# KiCad board backplane-breaout-big.kicad_pcb (continued)
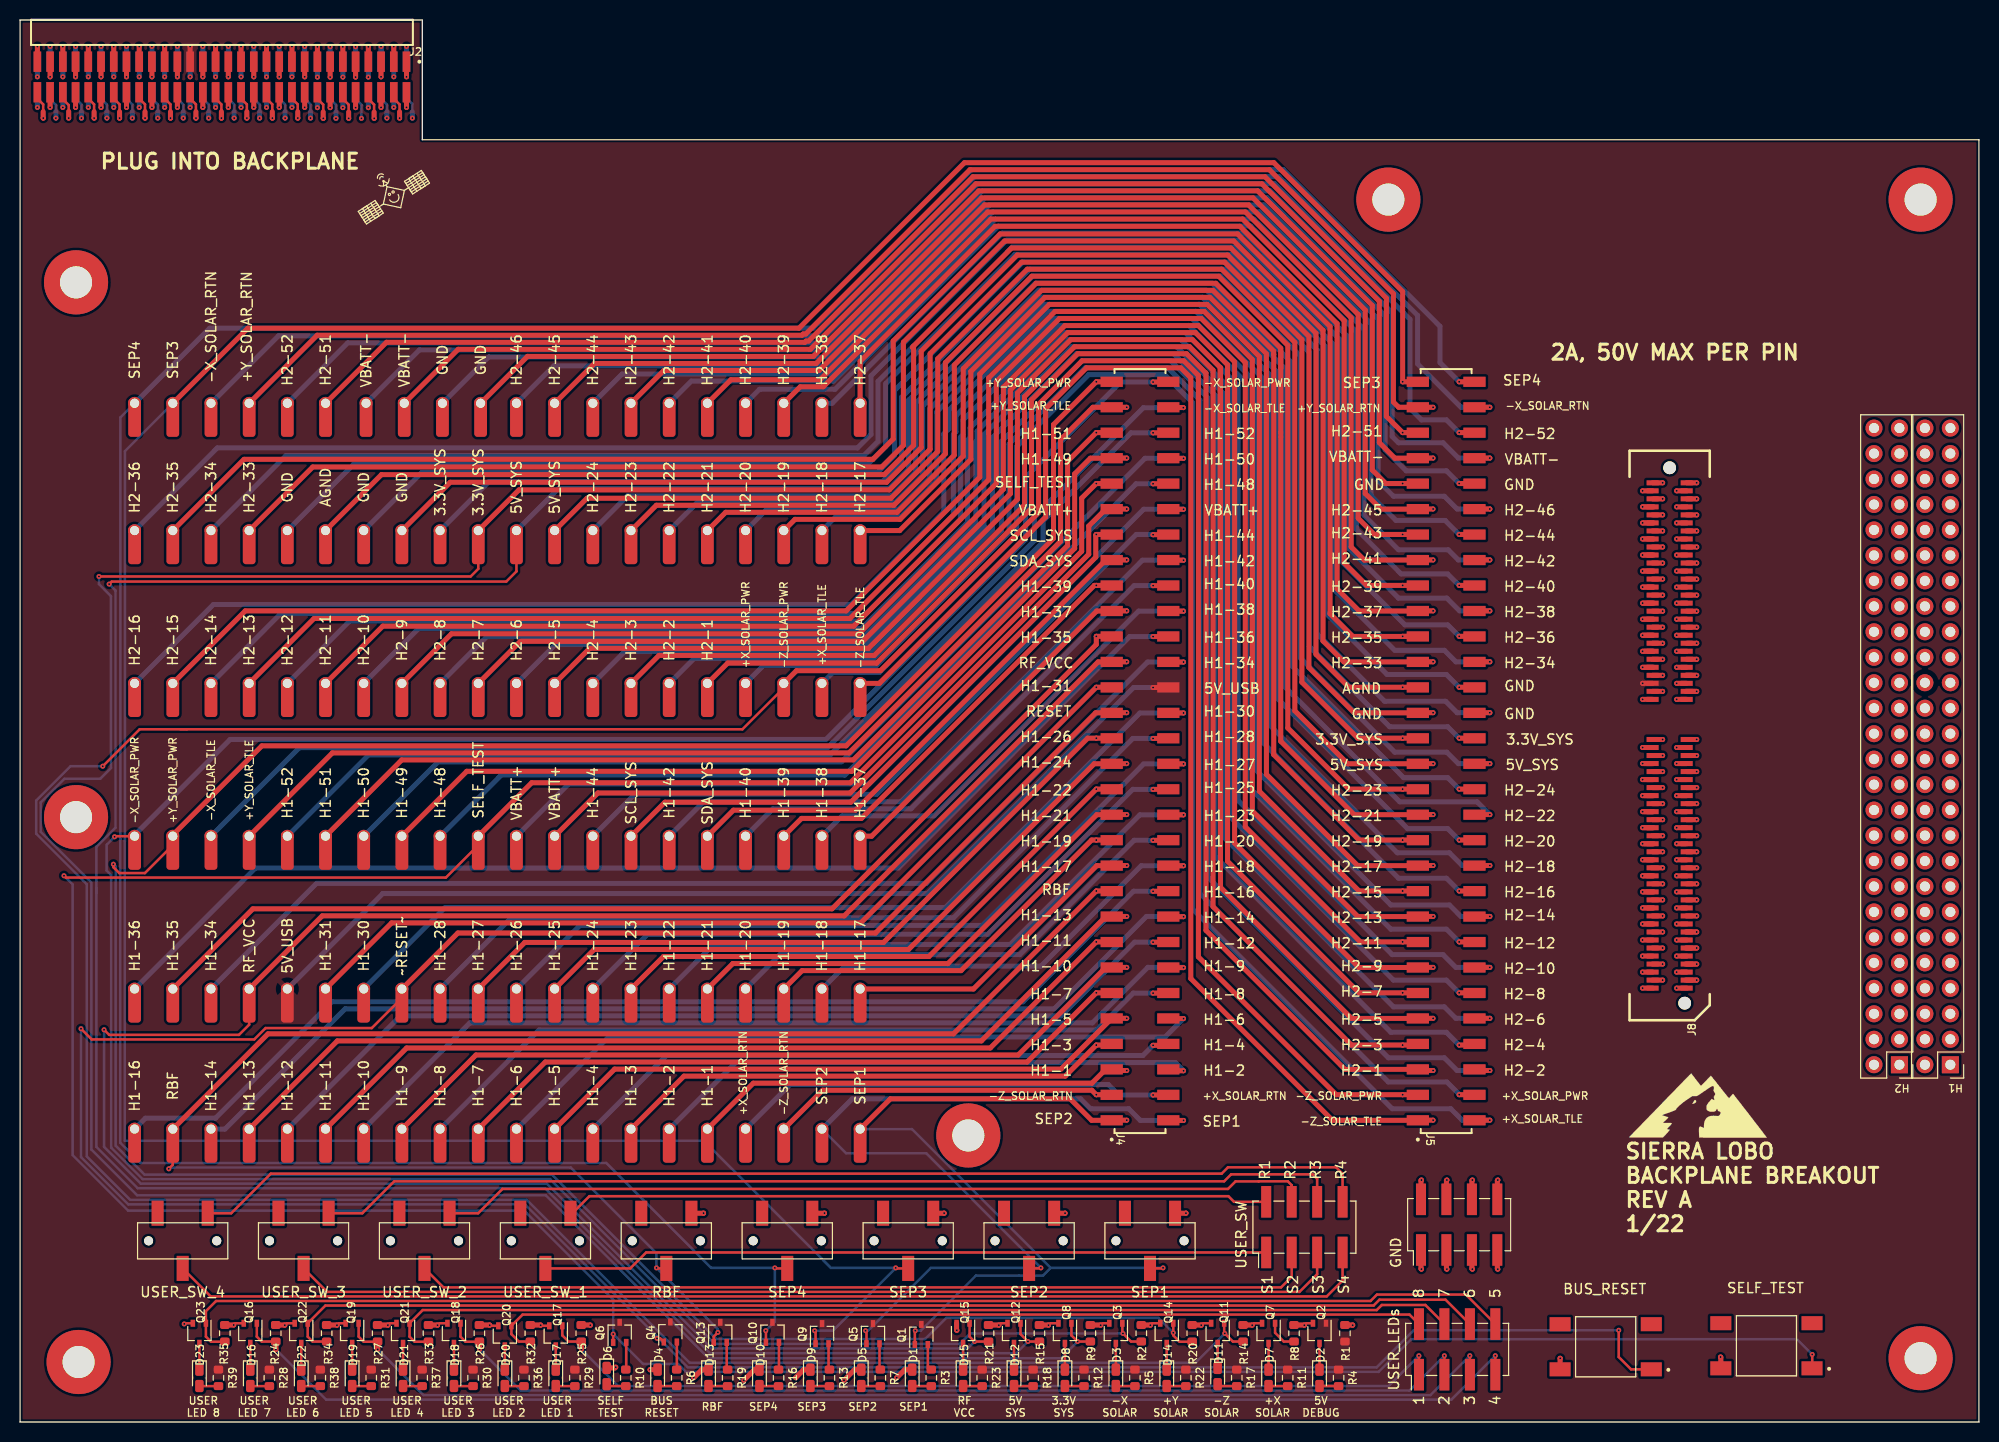
[diagram p0: board, top side]
## Routing (per net, layer and track width the routed paths; a pad name or vN(x,y) marks a point on that pad's centre or on a via; arc(x,y) is an arc through that point) (continued)
/H1-18: length 290.8
  Top w0.5: 162.99,59.27 162.03,59.27 ; 25.86,135.67 v1(25.86,134.16) ; 114.57,55.47 116.05,55.47 ; J8.42 v1(161.89,59.27)
  In3.Cu w0.25: 25.78,129.41 25.78,130.26 25.28,130.76 25.28,131.58
  In3.Cu w0.4: 184.58,57.2 188.81,57.2 H1.18
  In3.Cu w0.5: TP81.1 81.66,44.83 86.87,44.83 98.65,56.61 98.65,108.09 88.21,118.53 29.25,118.53 25.78,122.01 25.78,129.67 ; 184.58,57.2 172.62,57.2 170.55,59.27 166.85,59.27 166.15,58.57 165,58.57 164.3,59.27 v1(161.89,59.27) 158.82,56.2 116.82,56.2 v1(116.09,55.47) ; v1(25.86,134.16) 25.28,133.59 25.28,131.58
  Bottom w0.5: v1(116.09,55.47) 111.86,55.47 101.85,45.47 82.29,45.47 TP81.1
/H1-19: length 292.2
  Top w0.25: 24.59,132 25.17,131.42 25.17,130.68
  Top w0.5: v1(25.17,130.05) 25.17,130.05 25.17,130.68 ; J8.45 v1(165.29,60.87) ; 108.9,58.04 v1(107.38,58.04) 106.91,58.04 93.89,45.02 78.03,45.02 TP23.1
  In1.Cu w0.4: 184.58,59.74 191.35,59.74 H1.19
  In1.Cu w0.5: v1(107.38,58.04) 108.09,58.74 145.82,58.74 147.05,59.97 162.8,59.97 163.7,60.87 v1(165.29,60.87) 176.35,60.87 177.48,59.74 184.58,59.74 ; v1(25.17,130.05) 25.17,119.86 28.63,116.4 88.68,116.4 98.24,106.84 98.24,62.95 78.47,43.19 TP23.1
/H1-20: length 308.8
  Top w0.5: J8.46 v1(161.89,60.87) ; 24.59,135.68 v1(24.59,137.19) ; 162.99,60.87 162.03,60.87 ; 114.57,58.01 v1(113.05,58.01)
  In3.Cu w0.25: 24.01,134.63 24.01,133.59 ; 24.51,129.41 24.51,130.3 24.01,130.8 24.01,131.58
  In3.Cu w0.4: H1.20 188.81,59.74 184.58,59.74
  In3.Cu w0.5: v1(113.05,58.01) 114.11,59.07 160.09,59.07 v1(161.89,60.87) 164.3,60.87 165.1,60.07 166.3,60.07 167.1,60.87 171.05,60.87 172.18,59.74 184.58,59.74 ; 72.33,43.12 74.8,45.59 86.49,45.59 97.94,57.05 97.94,107.8 87.92,117.83 28.96,117.83 24.51,122.28 24.51,129.67 ; v1(24.59,137.19) 24.01,136.61 24.01,134.63 ; 24.01,133.59 24.01,131.58
  Bottom w0.5: v1(113.05,58.01) 111.15,58.01 99.75,46.61 75.81,46.61 TP83.1
/H1-21: length 306.1
  Top w0.5: J8.49 v1(165.29,62.47) ; TP25.1 71.11,45.72 92.58,45.72 107.43,60.57 J4.25 ; 108.9,60.58 110.38,60.58 ; J2.25 v1(23.32,131.11)
  In1.Cu w0.25: 23.37,129.67 23.32,129.71 v1(23.32,131.11)
  In1.Cu w0.4: 184.46,62.28 191.35,62.28 H1.21
  In1.Cu w0.5: 23.37,129.54 23.37,120.56 28.48,115.44 88.65,115.44 97.54,106.55 97.54,63.25 79.63,45.34 70.73,45.34 TP25.1 ; v1(110.43,60.58) 111.42,61.57 161.99,61.57 162.89,62.47 v1(165.29,62.47) 176.85,62.47 177.04,62.28 184.46,62.28
/H1-22: length 320.4
  Top w0.5: J8.50 v1(161.89,62.47) ; 162.99,62.47 162.03,62.47 ; 114.57,60.55 116.05,60.55 ; 23.32,135.67 v1(23.32,134.16)
  In3.Cu w0.25: 23.24,129.41 23.24,130.3 22.74,130.8 22.74,131.58
  In3.Cu w0.4: 184.54,62.28 188.81,62.28 H1.22
  In3.Cu w0.5: v1(23.32,134.16) 22.74,133.59 22.74,131.58 ; 23.24,129.67 23.24,122.56 28.67,117.13 87.62,117.13 97.24,107.51 97.24,57.49 86.11,46.35 67.94,46.35 TP85.1 ; 184.54,62.28 171.64,62.28 171.45,62.47 167.1,62.47 166.4,61.77 164.79,61.77 164.09,62.47 v1(161.89,62.47) 160.89,61.47 117.01,61.47 v1(116.09,60.55)
  Bottom w0.5: v1(116.09,60.55) 111.73,60.55 98.81,47.62 69.21,47.62 TP85.1
/H1-23: length 323.1
  Top w0.25: 22.05,132 22.63,131.42 22.63,130.68
  Top w0.5: v1(22.63,130.05) 22.63,130.05 22.63,130.68 ; 108.9,63.12 v1(107.38,63.12) 90.69,46.42 64.2,46.42 TP27.1 ; J8.53 v1(165.29,64.07)
  In1.Cu w0.4: 184.6,64.82 191.35,64.82 H1.23
  In1.Cu w0.5: 184.6,64.82 177.5,64.82 176.75,64.07 v1(165.29,64.07) 163.7,64.07 162.9,63.27 144.74,63.27 143.86,62.39 108.11,62.39 v1(107.38,63.12) ; v1(22.63,130.05) 22.63,120.3 28.3,114.63 88.46,114.63 96.72,106.36 96.72,63.55 79.21,46.04 63.82,46.04 TP27.1
/H1-24: length 339.1
  Top w0.5: 22.05,135.68 v1(22.05,137.19) ; 114.57,63.09 v1(113.05,63.09) ; J8.54 v1(161.89,64.07) ; 162.99,64.07 162.03,64.07
  In3.Cu w0.25: 21.97,129.41 21.97,130.26 21.47,130.76 21.47,131.58 ; 21.47,134.63 21.47,133.61
  In3.Cu w0.4: H1.24 188.81,64.82 184.5,64.82
  In3.Cu w0.5: 21.47,134.63 21.47,136.61 v1(22.05,137.19) ; 184.5,64.82 169.8,64.82 169.05,64.07 167.1,64.07 166.4,63.37 164.79,63.37 164.09,64.07 v1(161.89,64.07) 161.69,64.27 114.23,64.27 v1(113.05,63.09) ; 57.09,43.12 61.09,47.12 85.72,47.12 96.54,57.93 96.54,107.22 87.33,116.43 28.38,116.43 21.97,122.83 21.97,129.67 ; 21.47,131.58 21.47,133.61
  Bottom w0.5: TP87.1 62.61,48.64 96.57,48.64 111.02,63.09 v1(113.05,63.09)
/H1-25: length 337.7
  Top w0.5: J2.29 v1(20.78,131.11) ; TP29.1 57.28,47.13 88.65,47.13 107.18,65.65 J4.29 ; 108.9,65.66 110.38,65.66 ; J8.57 v1(165.29,65.67)
  In1.Cu w0.25: v1(20.78,131.11) 20.78,129.71 20.83,129.67
  In1.Cu w0.4: 184.56,67.36 191.35,67.36 H1.25
  In1.Cu w0.5: TP29.1 57,46.85 79.02,46.85 96.02,63.85 96.02,106.07 88.16,113.93 28.01,113.93 20.83,121.11 20.83,129.54 ; v1(110.43,65.66) 111.21,64.87 162.9,64.87 163.7,65.67 176.05,65.67 177.74,67.36 184.56,67.36
/H1-26: length 352.9
  Top w0.5: J8.58 v1(161.89,65.67) ; 162.99,65.67 162.03,65.67 ; 114.57,65.63 116.05,65.63 ; 20.78,135.67 v1(20.78,134.16)
  In3.Cu w0.25: 20.2,131.58 20.2,130.76 20.7,130.26 20.7,129.41
  In3.Cu w0.4: 183.56,67.36 188.81,67.36 H1.26
  In3.Cu w0.5: 184.54,67.36 169.94,67.36 168.25,65.67 167.1,65.67 166.4,66.37 164.79,66.37 164.09,65.67 v1(161.89,65.67) 161.2,66.36 116.82,66.36 v1(116.09,65.63) ; TP89.1 54.22,47.88 85.34,47.88 95.83,58.37 95.83,106.93 87.04,115.72 28.09,115.72 20.7,123.11 20.7,129.67 ; v1(20.78,134.16) 20.2,133.59 20.2,131.58
  Bottom w0.5: v1(116.09,65.63) 112.12,65.63 96.01,49.53 55.87,49.53 TP89.1
/H1-27: length 355.1
  Top w0.25: 20.09,130.68 20.09,131.42 19.51,132
  Top w0.5: v1(165.29,67.27) J8.61 ; 108.9,68.2 v1(107.38,68.2) 106.53,68.2 86.16,47.83 50.36,47.83 TP31.1 ; v1(20.09,130.05) 20.09,130.05 20.09,130.68
  In1.Cu w0.4: 184.62,69.9 191.35,69.9 H1.27
  In1.Cu w0.5: TP31.1 50.08,47.55 78.72,47.55 95.32,64.14 95.32,105.78 87.87,113.23 27.72,113.23 20.09,120.85 v1(20.09,130.05) ; 184.62,69.9 178.58,69.9 175.95,67.27 v1(165.29,67.27) 162.89,67.27 162.18,66.57 109.02,66.57 v1(107.38,68.2)
/H1-28: length 370.6
  Top w0.5: 114.57,68.17 v1(113.05,68.17) ; 162.99,67.27 162.03,67.27 ; J8.62 v1(161.89,67.27) ; 19.51,135.68 v1(19.51,137.19)
  In3.Cu w0.25: 18.93,134.63 18.93,133.72 ; 19.43,129.41 19.43,130.3 18.93,130.8 18.93,131.58
  In3.Cu w0.4: H1.28 188.81,69.9 184.48,69.9
  In3.Cu w0.5: 18.93,134.63 18.93,136.61 v1(19.51,137.19) ; v1(113.05,68.17) 113.78,68.9 160.26,68.9 v1(161.89,67.27) 162.1,67.27 164.73,69.9 184.48,69.9 ; 19.43,129.67 19.43,123.39 27.8,115.02 86.75,115.02 95.13,106.64 95.13,59.06 84.96,48.89 47.62,48.89 TP91.1 ; 18.93,133.72 18.93,131.58
  Bottom w0.5: v1(113.05,68.17) 111.02,68.17 93.14,50.29 49.02,50.29 TP91.1
/H1-30: length 381.5
  Top w0.5: 18.24,135.67 v1(18.24,134.16) ; J8.66 v1(161.89,72.07) ; 114.57,70.71 116.05,70.71
  In3.Cu w0.25: 18.16,129.41 18.16,130.26 17.66,130.76 17.66,131.69
  In3.Cu w0.4: 184.48,72.44 188.81,72.44 H1.30
  In3.Cu w0.5: v1(18.24,134.16) 17.66,133.59 17.66,131.69 ; 34.23,43.19 41.97,50.92 85.84,50.92 94.43,59.5 94.43,106.35 86.46,114.32 27.51,114.32 18.16,123.66 18.16,129.67 ; 184.48,72.44 183.38,72.44 183.1,72.17 167,72.17 166.4,72.77 165,72.77 164.3,72.07 v1(161.89,72.07) 161.69,72.27 117.65,72.27 v1(116.09,70.71)
  Bottom w0.5: TP93.1 42.41,51.31 92.33,51.31 111.73,70.71 v1(116.09,70.71)
/H1-31: length 386.4
  Top w0.25: 16.97,132 17.55,131.42 17.55,130.68
  Top w0.5: TP35.1 37.07,49.78 83.88,49.78 v1(107.38,73.28) 108.9,73.28 ; v1(17.55,130.05) 17.55,130.05 17.55,130.68 ; J8.69 v1(165.29,73.67)
  In1.Cu w0.4: 184.54,74.98 191.35,74.98 H1.31
  In1.Cu w0.5: v1(107.38,73.28) 108.29,72.37 147.04,72.37 149.05,74.37 162.18,74.37 162.89,73.67 v1(165.29,73.67) 173.15,73.67 174.46,74.98 184.54,74.98 ; v1(17.55,130.05) 17.55,121.4 27.14,111.82 87.29,111.82 93.91,105.2 93.91,64.72 78.14,48.95 36.25,48.95 TP35.1
/H1-33: length 530.1
  Top w0.25: R21.1 v1(95.23,8.02) 94.74,8.51 Q15.1 ; v1(8.38,39.12) 8.89,38.61 21.84,38.61 22.86,39.62 TP37.1
  Top w0.5: J4.37 107.56,75.81 82.24,50.48 30.15,50.48 TP37.1 ; 108.9,75.82 110.38,75.82 ; J2.37 v1(15.7,131.11) ; J8.73 v1(165.29,75.27)
  In1.Cu w0.25: v1(15.7,131.11) 15.7,129.71 15.75,129.67
  In1.Cu w0.4: 184.5,77.52 191.35,77.52 H1.33
  In1.Cu w0.5: v1(110.43,75.82) 111.13,76.52 148.4,76.52 148.95,75.97 162.18,75.97 162.89,75.27 v1(165.29,75.27) 172.45,75.27 174.7,77.52 184.6,77.52 ; TP37.1 29.46,49.78 77.98,49.78 93.21,65.02 93.21,104.91 87,111.12 26.85,111.12 15.75,122.22 15.75,129.54
  Bottom w0.25: v1(95.23,8.02) 94.54,7.33 69,7.33 52.57,23.77 12.05,23.77 8.38,27.43 v1(8.38,39.12)
/H1-34: length 415
  Top w0.5: 162.99,75.27 162.03,75.27 ; 114.57,75.79 116.05,75.79 ; 15.7,135.67 v1(15.7,134.16) ; J8.74 v1(161.89,75.27)
  In3.Cu w0.25: 15.62,129.41 15.62,130.26 15.12,130.76 15.12,131.58
  In3.Cu w0.4: 183.2,77.52 188.81,77.52 H1.34
  In3.Cu w0.5: TP97.1 28.19,52.32 84.71,52.32 92.97,60.58 92.97,105.82 85.95,112.84 26.99,112.84 15.62,124.22 15.62,129.67 ; v1(116.09,75.79) 116.77,75.12 161.74,75.12 v1(161.89,75.27) 164.15,75.27 164.85,75.97 166.4,75.97 167,75.37 181.04,75.37 183.2,77.52 184.5,77.52 ; v1(15.7,134.16) 15.12,133.59 15.12,131.58
  Bottom w0.5: v1(116.09,75.79) 112.5,75.79 90.42,53.72 29.59,53.72 TP97.1
/H1-35: length 417.9
  Top w0.25: 15.01,130.68 15.01,131.42 14.43,132
  Top w0.5: J8.77 v1(165.29,76.87) ; 108.9,78.36 v1(107.38,78.36) 107.38,77.55 81.02,51.18 23.24,51.18 TP39.1 ; 15.01,130.68 15.01,130.05 v1(15.01,130.05)
  In1.Cu w0.4: 184.54,80.06 191.35,80.06 H1.35
  In1.Cu w0.5: v1(15.01,130.05) 15.01,121.96 26.56,110.41 86.71,110.41 92.51,104.62 92.51,65.57 77.42,50.49 22.54,50.49 TP39.1 ; v1(107.38,78.36) 108.11,77.63 162.12,77.63 162.89,76.87 v1(165.29,76.87) 172.15,76.87 175.34,80.06 184.54,80.06
/H1-36: length 434.7
  Top w0.5: 14.43,135.68 v1(14.43,137.19) ; 114.57,78.33 v1(113.05,78.33) ; J8.78 v1(161.89,76.87) ; 162.99,76.87 162.03,76.87
  In3.Cu w0.25: 14.35,129.41 14.35,130.3 13.85,130.8 13.85,131.58 ; 13.85,134.63 13.85,133.72
  In3.Cu w0.4: 183.16,80.06 188.81,80.06 H1.36
  In3.Cu w0.5: 13.85,133.72 13.85,131.58 ; 14.35,129.67 14.35,124.49 26.7,112.14 85.66,112.14 92.19,105.6 92.19,60.95 84.46,53.21 21.46,53.21 TP99.1 ; 13.85,134.63 13.85,136.61 v1(14.43,137.19) ; 183.64,80.06 182.64,80.06 179.55,76.97 166.19,76.97 165.58,77.57 164.79,77.57 164.09,76.87 v1(161.89,76.87) 161.11,77.66 113.73,77.66 v1(113.05,78.33) ; 183.16,80.06 184.46,80.06
  Bottom w0.5: TP99.1 23.49,55.24 87.63,55.24 110.72,78.33 v1(113.05,78.33)
/H1-37: length 267.8
  Top w0.5: TP41.1 84.97,58.43 107.43,80.89 J4.41 ; J2.41 v1(13.16,131.11) ; J8.81 v1(165.29,78.47) ; 108.9,80.9 110.38,80.9
  In1.Cu w0.25: v1(13.16,131.11) 13.16,129.71 13.21,129.67
  In1.Cu w0.4: 184.32,82.6 191.35,82.6 H1.37
  In1.Cu w0.5: 184.58,82.6 175.58,82.6 171.45,78.47 v1(165.29,78.47) 162.89,78.47 162.09,79.27 150.75,79.27 149.95,80.07 111.25,80.07 v1(110.43,80.9) ; 13.21,129.54 13.94,128.8 13.94,122.03 26.26,109.71 86.42,109.71 91.8,104.32 91.8,66.41 TP41.1
/H1-38: length 276.1
  Top w0.5: 13.16,135.67 v1(13.16,134.16) ; 114.57,80.87 116.05,80.87 ; 162.99,78.47 162.03,78.47 ; J8.82 v1(161.89,78.47)
  In3.Cu w0.25: 13.08,129.41 13.08,130.26 12.47,130.87 12.47,131.59
  In3.Cu w0.4: H1.38 188.81,82.6 184.52,82.6
  In3.Cu w0.5: v1(116.09,80.87) 117.39,79.57 160.79,79.57 v1(161.89,78.47) 164.28,78.47 164.98,79.17 165.58,79.17 166.19,78.57 178.18,78.57 182.22,82.6 184.52,82.6 ; TP101.1 91.24,69.65 91.24,105.57 85.42,111.38 26.47,111.38 13.08,124.77 13.08,129.67 ; v1(13.16,134.16) 12.47,133.47 12.47,131.59
  Bottom w0.5: v1(116.09,80.87) 111.61,80.87 91.19,60.45 82.04,60.45 TP101.1
/H1-39: length 284.6
  Top w0.25: 12.47,130.68 12.47,131.42 11.89,132
  Top w0.5: J8.85 v1(165.29,80.07) ; 12.47,130.68 12.47,130.05 v1(12.47,130.05) ; 108.9,83.44 v1(107.38,83.44) 107.19,83.44 83.95,60.2 77.97,60.2 TP43.1
  In1.Cu w0.4: H1.39 191.35,85.14 184.58,85.14
  In1.Cu w0.5: v1(107.38,83.44) 108.93,83.44 110.05,82.32 150.21,82.32 151.75,80.77 162.18,80.77 162.89,80.07 v1(165.29,80.07) 170.45,80.07 175.52,85.14 184.58,85.14 ; v1(12.47,130.05) 12.47,122.51 25.97,109.01 86.13,109.01 91.1,104.03 91.1,67.33 83.28,59.51 77.29,59.51 TP43.1
/H1-40: length 297.3
  Top w0.5: J8.86 v1(161.89,80.07) ; 11.89,135.68 v1(11.89,137.19) ; 162.99,80.07 162.03,80.07 ; 114.57,83.41 v1(113.05,83.41)
  In3.Cu w0.25: 11.81,129.41 11.81,130.26 11.31,130.76 11.31,131.56 ; 11.31,134.63 11.31,133.74
  In3.Cu w0.4: H1.40 188.81,85.14 183.32,85.14
  In3.Cu w0.5: 183.12,85.14 184.52,85.14 ; v1(113.05,83.41) 113.73,82.74 159.23,82.74 v1(161.89,80.07) 164.09,80.07 164.79,80.77 166.4,80.77 167,80.17 177.1,80.17 182.08,85.14 183.97,85.14 ; TP103.1 76.74,62.77 83.36,62.77 90.53,69.94 90.53,105.27 85.25,110.56 26.3,110.56 11.81,125.04 11.81,129.41 ; v1(11.89,137.19) 11.31,136.61 11.31,134.63 ; 11.31,133.74 11.31,131.56
  Bottom w0.5: TP103.1 75.12,61.15 88.89,61.15 111.15,83.41 v1(113.05,83.41)
/H1-41: length 299.4
  Top w0.5: J8.89 v1(165.29,81.67) ; 108.9,85.98 110.38,85.98 ; 108.32,85.97 83.37,61.02 71.17,61.02 TP45.1 ; J2.45 v1(10.62,131.11)
  In1.Cu w0.25: v1(10.62,131.11) 10.62,129.71 10.67,129.67
  In1.Cu w0.4: H1.41 191.31,87.72 184.6,87.72
  In1.Cu w0.5: v1(110.43,85.98) 111.83,84.57 151.15,84.57 153.25,82.47 162.09,82.47 162.89,81.67 v1(165.29,81.67) 169.65,81.67 175.7,87.72 184.6,87.72 ; 10.67,129.54 10.67,123.32 25.68,108.31 85.84,108.31 90.4,103.74 90.4,67.62 82.99,60.22 70.37,60.22 TP45.1
/H1-42: length 309.2
  Top w0.5: 114.57,85.95 116.05,85.95 ; J8.90 v1(161.89,81.67) ; 10.62,135.67 v1(10.62,134.16) ; 162.99,81.67 162.03,81.67
  In3.Cu w0.25: 9.93,131.55 9.93,130.87 10.54,130.26 10.54,129.41
  In3.Cu w0.4: H1.42 188.81,87.68 184.56,87.68
  In3.Cu w0.5: 184.56,87.68 182.04,87.68 175.93,81.57 167.2,81.57 166.3,82.47 165.1,82.47 164.3,81.67 v1(161.89,81.67) 158.29,85.28 116.77,85.28 v1(116.09,85.95) ; TP105.1 69.82,63.47 83.07,63.47 89.83,70.23 89.83,104.98 84.96,109.85 26.01,109.85 10.54,125.32 10.54,129.67 ; 9.93,131.55 9.93,133.47 v1(10.62,134.16)
  Bottom w0.5: v1(116.09,85.95) 111.99,85.95 87.89,61.86 68.2,61.86 TP105.1
/H1-43: length 320.1
  Top w0.25: 9.93,130.68 9.93,131.42 9.35,132
  Top w0.5: TP47.1 64.35,61.81 82.89,61.81 107.33,86.26 107.33,88.47 v1(107.38,88.52) 108.9,88.52 ; v1(9.93,130.05) 9.93,130.05 9.93,130.68 ; J8.93 v1(165.29,83.27)
  In1.Cu w0.4: 183.26,90.26 191.31,90.26 H1.43
  In1.Cu w0.5: TP47.1 63.45,60.92 82.7,60.92 89.7,67.91 89.7,103.45 85.54,107.6 25.39,107.6 9.93,123.06 v1(9.93,130.05) ; v1(107.38,88.52) 108.95,88.52 110.1,87.37 151.29,87.37 154.52,84.14 162.01,84.14 162.89,83.27 v1(165.29,83.27) 168.55,83.27 175.54,90.26 184.56,90.26
/H1-44: length 328.4
  Top w0.5: 9.35,135.68 v1(9.35,137.19) ; 162.99,83.27 162.03,83.27 ; 114.57,88.49 v1(113.05,88.49) ; J8.94 v1(161.89,83.27)
  In3.Cu w0.25: 9.27,129.41 9.27,130.26 8.77,130.76 8.77,131.56 ; 8.77,134.63 8.77,133.74
  In3.Cu w0.4: H1.44 188.81,90.22 184.5,90.22
  In3.Cu w0.5: v1(113.05,88.49) 113.73,87.82 157.35,87.82 v1(161.89,83.27) 164.3,83.27 165.1,84.07 166.3,84.07 167,83.37 174.05,83.37 180.9,90.22 184.5,90.22 ; 8.77,133.74 8.77,131.56 ; 9.27,129.67 9.27,125.6 25.82,109.05 84.77,109.05 89.13,104.69 89.13,70.69 82.61,64.18 62.9,64.18 TP107.1 ; 8.77,134.63 8.77,136.61 v1(9.35,137.19)
  Bottom w0.5: TP107.1 61.34,62.61 85.47,62.61 111.38,88.52 113.02,88.52 v1(113.05,88.49)
/H1-45: length 333.9
  Top w0.5: TP49.1 57.65,62.74 82.82,62.74 106.63,86.55 106.63,89.36 108.32,91.05 ; J2.49 v1(8.08,131.11) ; 108.9,91.06 110.38,91.06 ; J8.97 v1(165.29,84.87)
  In1.Cu w0.25: v1(8.08,131.11) 8.08,129.71 8.13,129.67
  In1.Cu w0.4: 183.85,92.77 191.34,92.77 H1.45
  In1.Cu w0.5: v1(110.43,91.06) 111.51,89.97 151.95,89.97 156.35,85.57 162.18,85.57 162.89,84.87 v1(165.29,84.87) 168.05,84.87 175.95,92.77 183.85,92.77 ; TP49.1 56.54,61.62 63.16,61.62 82.41,61.62 88.99,68.2 88.99,103.16 85.25,106.9 25.1,106.9 8.13,123.87 8.13,129.54
/H1-46: length 343.1
  Top w0.5: 8.08,135.67 v1(8.08,134.16) ; 114.57,91.03 116.05,91.03 ; 162.99,84.87 162.03,84.87 ; J8.98 v1(161.89,84.87)
  In3.Cu w0.25: 7.5,131.56 7.5,130.76 8,130.26 8,129.41
  In3.Cu w0.4: H1.46 188.81,92.76 183.54,92.76
  In3.Cu w0.5: 183.96,92.76 180.56,92.76 172.76,84.97 166.19,84.97 165.49,85.67 164.89,85.67 164.09,84.87 v1(161.89,84.87) 157.54,89.22 117.9,89.22 v1(116.09,91.03) ; 8,129.67 8,125.87 25.53,108.35 84.48,108.35 88.43,104.4 88.43,70.98 82.32,64.88 55.98,64.88 TP109.1 ; v1(8.08,134.16) 7.5,133.59 7.5,131.56 ; 183.54,92.76 184.46,92.76
  Bottom w0.5: TP109.1 54.73,63.63 84.71,63.63 112.12,91.03 v1(116.09,91.03)
/H1-48: length 363
  Top w0.5: 114.57,93.57 v1(113.05,93.57) ; 6.81,135.68 v1(6.81,137.19) ; 162.99,86.47 162.03,86.47 ; J8.102 v1(161.89,86.47)
  In3.Cu w0.25: 6.73,129.41 6.73,130.26 6.23,130.76 6.23,131.56 ; 6.23,134.61 6.23,133.72
  In3.Cu w0.4: H1.48 188.81,95.3 183.38,95.3
  In3.Cu w0.5: 6.23,133.72 6.23,131.56 ; v1(113.05,93.57) 113.73,92.9 155.47,92.9 v1(161.89,86.47) 164.15,86.47 164.85,87.17 166.4,87.17 167,86.57 171.58,86.57 180.32,95.3 184.02,95.3 ; TP111.1 49.07,65.58 82.03,65.58 87.72,71.27 87.72,104.11 84.19,107.65 25.23,107.65 6.73,126.15 6.73,129.67 ; v1(6.81,137.19) 6.23,136.61 6.23,134.61 ; 183.38,95.3 184.58,95.3
  Bottom w0.5: v1(113.05,93.57) 111.35,93.57 82.3,64.52 48,64.52 TP111.1
/H1-49: length 372
  Top w0.5: J8.105 v1(165.29,88.07) ; J2.53 v1(5.54,131.11) ; TP53.1 44.57,64.9 82.99,64.9 105.22,87.13 105.22,94.56 106.79,96.13 J4.53 ; 108.9,96.14 110.38,96.14
  In1.Cu w0.25: v1(5.54,131.11) 5.54,129.71 5.59,129.67
  In1.Cu w0.4: 183.22,97.84 191.35,97.84 H1.49
  In1.Cu w0.5: 183.98,97.84 177.26,97.84 167.49,88.07 v1(165.29,88.07) 162.89,88.07 161.99,88.97 159.05,88.97 152.64,95.37 111.19,95.37 v1(110.43,96.14) ; 5.59,129.54 5.59,124.43 24.57,105.44 84.72,105.44 87.59,102.58 87.59,69.05 81.66,63.12 42.79,63.12 TP53.1 ; 183.22,97.84 184.52,97.84
/H1-50: length 377.6
  Top w0.5: 114.57,96.11 116.05,96.11 ; 162.99,88.07 162.03,88.07 ; J8.106 v1(161.89,88.07) ; 5.54,135.67 v1(5.54,134.16)
  In3.Cu w0.25: 5.46,129.41 5.46,130.3 4.96,130.8 4.96,133.59 v1(5.54,134.16)
  In3.Cu w0.4: 183.18,97.84 188.81,97.84 H1.50
  In3.Cu w0.5: 5.46,129.67 5.46,126.43 24.94,106.94 83.9,106.94 87.02,103.82 87.02,71.56 81.74,66.29 42.15,66.29 TP113.1 ; 184.02,97.84 180.02,97.84 170.35,88.17 167,88.17 166.4,88.77 164.98,88.77 164.28,88.07 v1(161.89,88.07) 154.53,95.44 116.77,95.44 v1(116.09,96.11) ; v1(5.54,134.16) 4.92,133.55 ; 183.18,97.84 184.58,97.84
  Bottom w0.5: TP113.1 41.7,65.84 81.97,65.84 112.24,96.11 v1(116.09,96.11)
/H1-51: length 387.9
  Top w0.25: 4.27,131.93 4.85,131.35 4.85,130.71
  Top w0.5: 108.9,98.68 v1(107.38,98.68) 104.52,95.82 104.52,87.42 83.13,66.03 38.09,66.03 TP55.1 ; v1(4.85,130.05) 4.85,130.71 ; J8.109 v1(165.29,89.67)
  In1.Cu w0.5: TP55.1 35.94,63.88 81.41,63.88 86.89,69.36 86.89,102.29 84.48,104.7 24.32,104.7 4.85,124.17 v1(4.85,130.05) ; H1.51 191.3,100.43 178.25,100.43 167.49,89.67 v1(165.29,89.67) 162.89,89.67 161.99,90.57 160.35,90.57 153.05,97.87 108.19,97.87 v1(107.38,98.68)
/H1-52: length 395.4
  Top w0.5: 114.57,98.65 v1(113.05,98.65) ; 4.27,135.68 v1(4.27,137.19) ; J8.110 v1(161.89,89.67) ; 162.99,89.67 162.03,89.67
  In3.Cu w0.25: 3.69,134.63 3.69,133.74 ; 4.19,129.41 4.19,130.25 3.69,130.75 3.69,131.58
  In3.Cu w0.5: v1(113.05,98.65) 113.73,97.98 153.59,97.98 v1(161.89,89.67) 164.09,89.67 164.89,90.47 165.49,90.47 166.19,89.77 169.65,89.77 180.35,100.47 188.72,100.47 H1.52 ; 4.19,129.67 4.19,126.7 24.65,106.24 83.61,106.24 86.32,103.53 86.32,71.86 81.45,66.99 35.23,66.99 TP115.1 ; 3.69,134.63 3.69,136.61 v1(4.27,137.19) ; 3.69,133.74 3.69,131.58
  Bottom w0.5: v1(113.05,98.65) 110.85,98.65 102.09,89.89 102.09,87.78 80.85,66.54 34.78,66.54 TP115.1
/H2-1: length 354.7
  Top w0.5: 139.47,35.05 140.95,35.05 ; J5.5 132.19,35.17 118.33,49.03 118.33,104.61 118.3,104.65 116.4,106.54 105.53,106.54 100.92,101.94 100.92,91.14 85.47,75.69 70.61,75.69 TP6.1 ; J8.11 v1(167.29,47.27) ; 166.19,47.27 167.15,47.27
  In4.Cu w0.25: 36.03,129.58 36.03,130.17 35.44,130.76 35.44,136.61 v1(36.02,137.19)
  In4.Cu w0.5: 36.03,129.58 36.03,127.68 39.37,124.34 84.07,124.34 99.44,108.97 99.44,90.57 88.2,79.33 88.2,79.31 74.22,79.31 TP6.1 ; v1(140.99,35.05) 142.21,36.27 149.64,36.27 160.55,47.17 162.18,47.17 162.79,46.57 164.18,46.57 164.89,47.27 v1(167.29,47.27) 180.23,34.33 186.22,34.33 H2.1
  Bottom w0.5: 36.02,137.03 36.02,135.67 v1(36.02,137.19)
/H2-2: length 341.1
  Top w0.5: J8.12 v1(163.89,47.27) ; 145.12,35.05 v1(146.65,35.05)
  In2.Cu w0.5: v1(36.6,130.05) 36.6,125.19 40.51,121.28 83.95,121.28 99.19,106.04 99.19,93.6 83.57,77.98 69.08,77.98 TP66.1 ; H2.2 178.69,35.63 167.95,46.37 167.2,46.37 166.3,47.27 v1(163.89,47.27) 158.87,47.27 v1(146.65,35.05)
  Bottom w0.25: 36.02,131.99 36.6,131.41 36.6,130.67
  Bottom w0.5: TP66.1 67.26,76.16 85.15,76.16 97.92,88.92 97.92,97.79 105.98,105.86 114.79,105.86 118.49,102.15 118.49,54.36 136.53,36.32 142.11,36.32 143.38,35.05 v1(146.65,35.05) ; 36.6,130.67 36.6,130.05
/H2-3: length 364.4
  Top w0.5: TP8.1 63.75,76.45 85.22,76.45 100.22,91.46 100.22,102.25 105.22,107.25 116.69,107.25 119.03,104.9 119.03,51.4 132.84,37.59 v1(137.95,37.59) 139.47,37.59 ; J8.15 v1(167.29,48.87) ; 166.19,48.87 167.15,48.87
  In4.Cu w0.25: 34.76,129.37 34.76,130.15 34.06,130.85 34.06,133.45 v1(34.75,134.14)
  In4.Cu w0.4: H2.3 186.23,36.88 184.46,36.88
  In4.Cu w0.5: TP8.1 67.3,80.01 87.88,80.01 98.68,90.8 98.68,108.58 83.63,123.63 38.42,123.63 34.76,127.3 34.76,129.37 ; 184.46,36.88 179.28,36.88 v1(167.29,48.87) 165.1,48.87 164.3,48.07 162.89,48.07 162.18,48.77 160.26,48.77 149.78,38.29 138.65,38.29 v1(137.95,37.59)
  Bottom w0.5: 34.75,135.65 34.75,134.14
/H2-4: length 354.3
  Top w0.5: J8.16 v1(163.89,48.87) ; 145.12,37.59 v1(143.59,37.59)
  In2.Cu w0.25: v1(34.75,131.09) 34.75,129.59 34.8,129.54
  In2.Cu w0.5: H2.4 179.45,38.17 169.65,47.97 167,47.97 166.1,48.87 v1(163.89,48.87) 158.05,48.87 146.77,37.59 v1(143.59,37.59) ; 34.8,129.54 34.8,125.73 40.13,120.4 83.69,120.4 98.43,105.66 98.43,93.85 83.31,78.74 62.22,78.74 TP68.1
  Bottom w0.5: J1.8 v1(34.75,131.09) ; TP68.1 60.35,76.86 84.86,76.86 97.03,89.03 97.03,98.17 105.42,106.56 115.08,106.56 119.25,102.38 119.25,56.39 136.78,38.86 142.32,38.86 v1(143.59,37.59)
/H2-5: length 393.6
  Top w0.5: TP10.1 56.83,77.16 84.65,77.16 99.52,92.02 99.52,102.63 104.84,107.95 116.98,107.95 119.78,105.15 119.78,86.34 119.78,53.32 132.86,40.25 J5.9 ; J8.19 v1(167.29,50.47) ; 139.47,40.26 140.95,40.26 ; 119.78,88.67 119.74,88.71 119.74,105.19
  In4.Cu w0.25: v1(33.48,137.16) 32.9,136.58 32.9,130.85 33.4,130.35 33.4,129.79
  In4.Cu w0.4: 184.34,39.46 186.27,39.46 H2.5
  In4.Cu w0.5: 184.56,39.46 178.3,39.46 v1(167.29,50.47) 165.1,50.47 164.3,49.67 162.89,49.67 162.18,50.37 159.65,50.37 150.75,41.47 142.2,41.47 v1(140.99,40.26) ; TP10.1 60.57,80.9 87.63,80.9 97.92,91.19 97.92,108.2 83.19,122.93 37.47,122.93 33.4,127 33.4,129.67
  Bottom w0.5: 33.48,135.65 33.48,137.01
/H2-6: length 366
  Top w0.5: 145.12,40.26 v1(146.65,40.26) ; J8.20 v1(163.89,50.47)
  In2.Cu w0.5: v1(146.65,40.26) 156.86,50.47 v1(163.89,50.47) 166.3,50.47 167.1,49.67 169.95,49.67 178.91,40.71 H2.6 ; TP70.1 55.37,79.5 82.95,79.5 97.65,94.2 97.65,105.29 83.31,119.63 39.12,119.63 34.06,124.69 v1(34.06,130.02)
  Bottom w0.25: 33.48,131.96 34.06,131.38 v1(34.06,130.02)
  Bottom w0.5: TP70.1 53.43,77.56 84.42,77.56 96.19,89.33 96.19,98.5 104.95,107.26 115.37,107.26 120.02,102.62 120.02,58.42 137.03,41.4 142.11,41.4 143.26,40.26 v1(146.65,40.26)
/H2-7: length 387.2
  Top w0.5: 139.47,42.8 v1(137.95,42.8) 133.6,42.8 120.48,55.92 120.48,105.44 117.27,108.65 104.54,108.65 98.81,102.92 98.81,92.59 84.08,77.86 49.91,77.86 TP12.1 ; J8.23 v1(167.29,52.07)
  In4.Cu w0.25: v1(32.21,134.14) 31.63,133.56 31.63,130.73 32.13,130.23 32.13,129.54
  In4.Cu w0.4: H2.7 186.24,41.97 184.55,41.97
  In4.Cu w0.5: v1(137.95,42.8) 138.65,43.5 150.88,43.5 159.35,51.97 163,51.97 163.6,51.37 164.4,51.37 165.1,52.07 v1(167.29,52.07) 177.39,41.97 184.55,41.97 ; TP12.1 53.84,81.79 87.38,81.79 97.03,91.44 97.03,107.95 82.75,122.23 37.03,122.23 32.13,127.13 32.13,129.54
  Bottom w0.5: 32.21,135.65 32.21,134.14
/H2-8: length 379.2
  Top w0.5: 145.12,42.8 v1(143.59,42.8) ; J8.24 v1(163.89,52.07)
  In2.Cu w0.25: v1(32.21,131.09) 32.21,129.59 32.26,129.54
  In2.Cu w0.5: TP72.1 48.51,80.26 82.72,80.26 96.9,94.44 96.9,104.92 82.89,118.93 38.55,118.93 32.26,125.22 32.26,129.54 ; v1(143.59,42.8) 146.88,42.8 156.15,52.07 v1(163.89,52.07) 166.3,52.07 167,51.37 170.75,51.37 178.87,43.25 H2.8
  Bottom w0.5: v1(143.59,42.8) 142.32,44.07 137.03,44.07 120.78,60.32 120.78,103 115.81,107.96 104.64,107.96 95.49,98.81 95.49,97.89 95.36,97.76 95.36,89.52 84.2,78.36 46.6,78.36 TP72.1 ; J1.12 v1(32.21,131.09)
/H2-9: length 401
  Top w0.5: TP14.1 43.05,78.61 83.69,78.61 98.11,93.03 98.11,103.21 104.25,109.36 117.56,109.36 121.18,105.73 121.18,57.73 133.59,45.33 J5.13 ; 139.47,45.34 140.95,45.34 ; J8.27 v1(167.29,53.67)
  In4.Cu w0.25: 30.86,129.54 30.86,130.23 30.36,130.73 30.36,136.58 v1(30.94,137.16)